# Altium PCB CHAHARDOLI-7 ADAD METAL.PcbDoc (part 9 of 10)
Units mm, origin at the board's own origin, x right, y up, seen from the top; angles counter-clockwise.
Board outline 151 x 86.38 mm, 2 copper layers (Top Layer, Bottom Layer); 1512 components, 81 nets, 3736 pads, 768 vias.
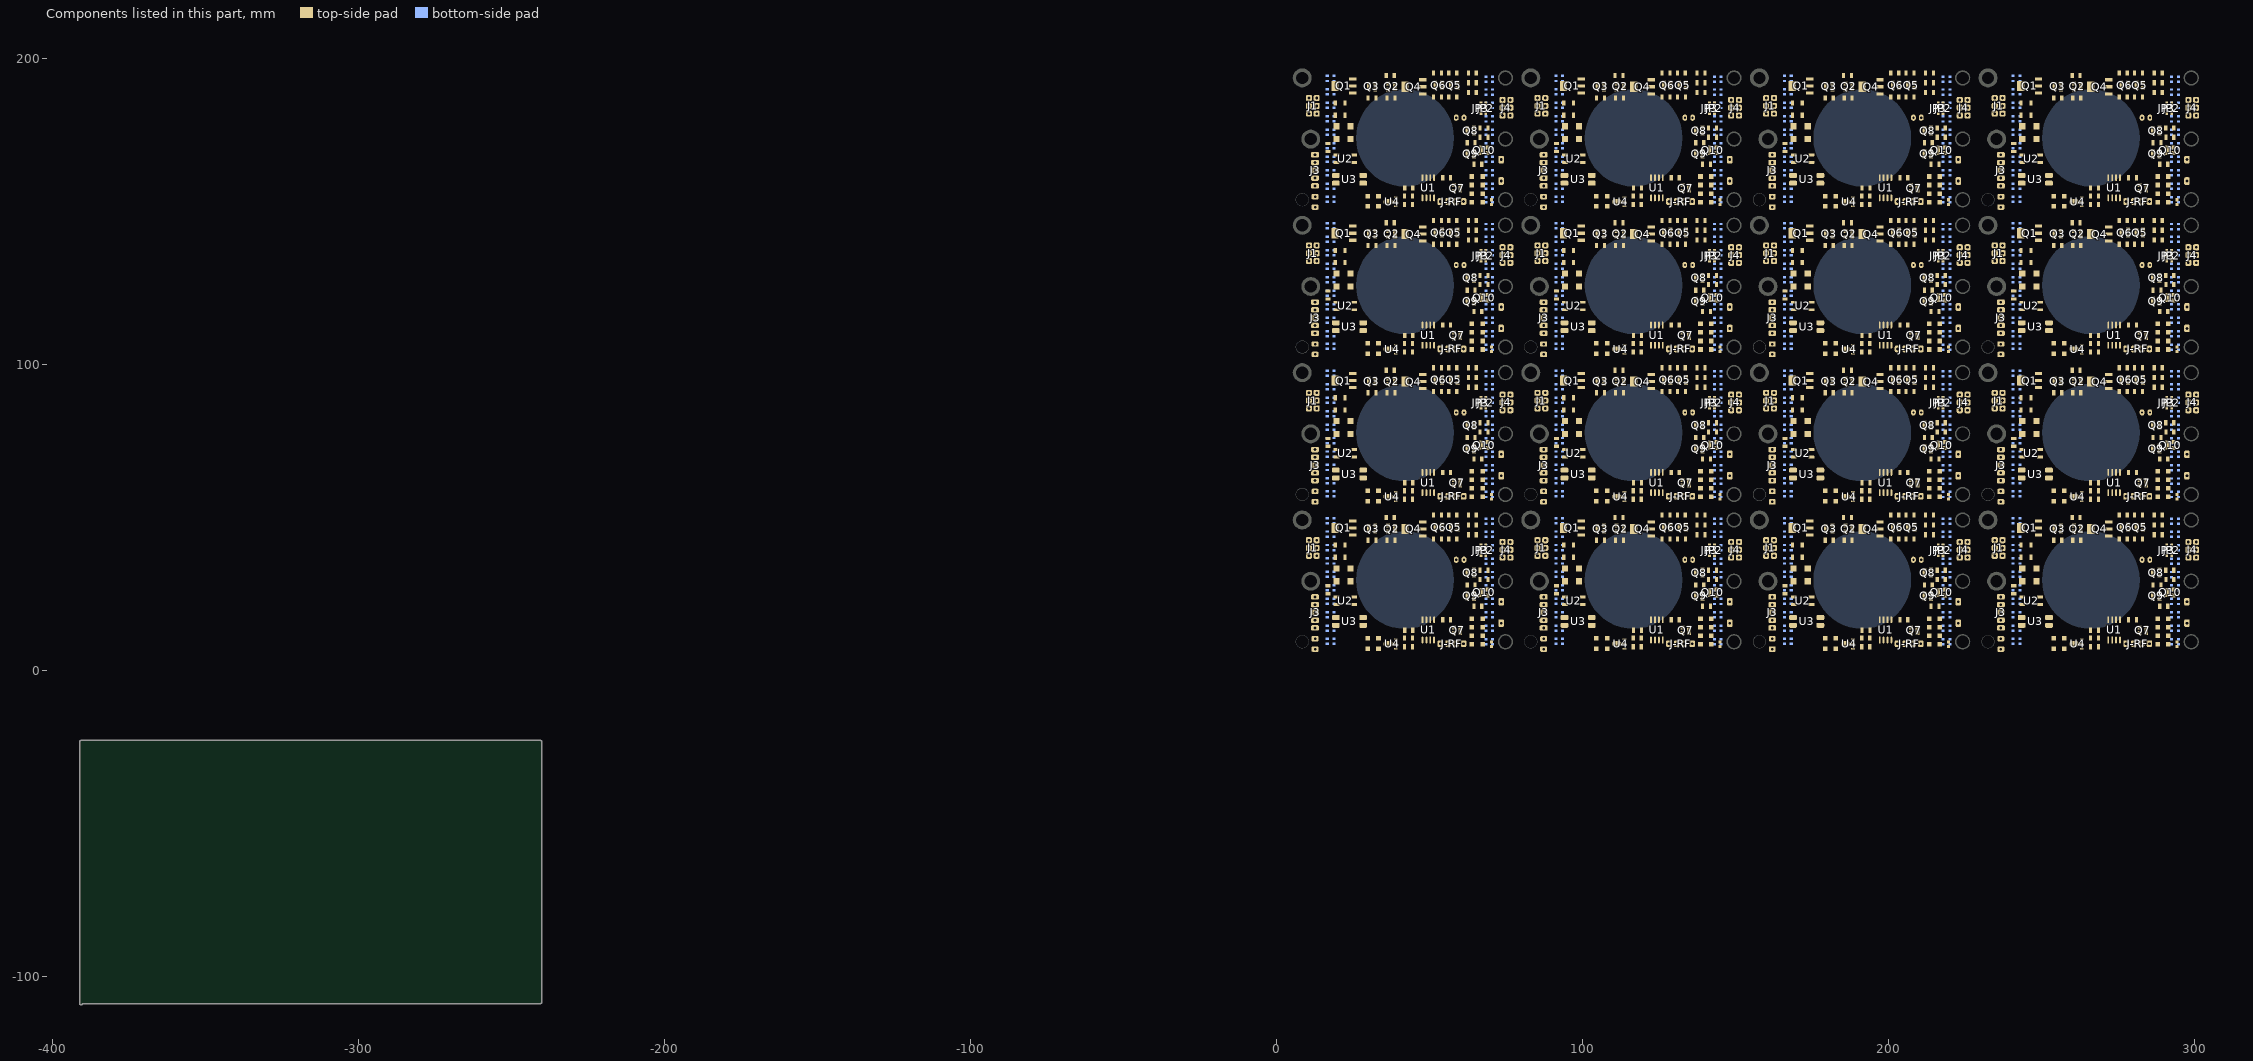
[diagram p9: the components of this part, seen from the top]

## Via types
v1: diameter 1.2, hole 0.6, Top Layer to Bottom Layer, 496 vias
v2: diameter 1, hole 0.6, Top Layer to Bottom Layer, 128 vias
v3: diameter 0.9, hole 0.6, Top Layer to Bottom Layer, 128 vias
v4: diameter 1.27, hole 0.6, Top Layer to Bottom Layer, 16 vias

## Nets (pads, with @x,y where several pads share a name; then routed paths per layer and width w, separated by ;. In a path a pad name is that pad's centre, name@x,y a point inside that pad or via, vN(x,y) a via of type N, cw(c..) or ccw(c..) an arc to the next point about the centre after c; other vN are vias at no path point) (continued)
copper on no net: (continued)
  Bottom Layer w0.5: v1(8.336,36.586) 8.336,31.71 v2@9.336,30.71 ; v1(8.336,84.731) 8.336,79.855 v2@9.336,78.855 ; v1(8.336,132.876) 8.336,128 v2@9.336,127 ; v1(8.336,181.021) 8.336,176.145 v2@9.336,175.145 ; v2(9.336,30.91) 11.136,29.11 9.936,29.11 ; v2(9.336,79.055) 11.136,77.255 9.936,77.255 ; v2(9.336,127.2) 11.136,125.4 9.936,125.4 ; v2(9.336,175.345) 11.136,173.545 9.936,173.545 ; v1(21.936,14.51) 21.136,15.31 21.136,35.51 23.936,38.31 v4(23.936,38.91) ; v1(21.936,62.655) 21.136,63.455 21.136,83.655 23.936,86.455 v4(23.936,87.055) ; v1(21.936,110.8) 21.136,111.6 21.136,131.8 23.936,134.6 v4(23.936,135.2) ; v1(21.936,158.945) 21.136,159.745 21.136,179.945 23.936,182.745 v4(23.936,183.345) ; v1@27.136,42.31 27.136,48.71 v1(28.136,49.71) 30.621,52.195 59.051,52.195 60.536,50.71 v1(60.736,50.71) ; v1@27.136,90.455 27.136,96.855 v1(28.136,97.855) 30.621,100.34 59.051,100.34 60.536,98.855 v1(60.736,98.855) ; v1@27.136,138.6 27.136,145 v1(28.136,146) 30.621,148.485 59.051,148.485 60.536,147 v1(60.736,147) ; v1@27.136,186.745 27.136,193.145 v1(28.136,194.145) 30.621,196.63 59.051,196.63 60.536,195.145 v1(60.736,195.145) ; v1@41.336,49.51 51.536,49.51 58.536,42.51 58.536,40.96 58.336,40.76 v1(58.336,40.635) ; v1@41.336,97.655 51.536,97.655 58.536,90.655 58.536,89.105 58.336,88.905 v1(58.336,88.78) ; v1@41.336,145.8 51.536,145.8 58.536,138.8 58.536,137.25 58.336,137.05 v1(58.336,136.925) ; v1@41.336,193.945 51.536,193.945 58.536,186.945 58.536,185.395 58.336,185.195 v1(58.336,185.07) ; v1(49.936,47.91) 50.736,47.11 51.936,47.11 56.736,42.31 56.736,39.71 58.27,38.176 ; v1(49.936,96.055) 50.736,95.255 51.936,95.255 56.736,90.455 56.736,87.855 58.27,86.321 ; v1(49.936,144.2) 50.736,143.4 51.936,143.4 56.736,138.6 56.736,136 58.27,134.466 ; v1(49.936,192.345) 50.736,191.545 51.936,191.545 56.736,186.745 56.736,184.145 58.27,182.611 ; v1(54.936,48.51) 60.286,43.16 60.286,40.31 58.736,38.76 58.736,38.71 ; v1(54.936,96.655) 60.286,91.305 60.286,88.455 58.736,86.905 58.736,86.855 ; v1(54.936,144.8) 60.286,139.45 60.286,136.6 58.736,135.05 58.736,135 ; v1(54.936,192.945) 60.286,187.595 60.286,184.746 58.736,183.196 58.736,183.145 ; 58.27,36.522 58.27,38.176 ; 58.27,84.668 58.27,86.321 ; 58.27,132.813 58.27,134.466 ; 58.27,180.958 58.27,182.611 ; 58.636,38.61 58.27,38.244 58.27,38.176 ; 58.636,86.755 58.27,86.389 58.27,86.321 ; 58.636,134.9 58.27,134.534 58.27,134.466 ; 58.636,183.045 58.27,182.679 58.27,182.611 ; 58.666,36.11 58.666,35.58 60.736,33.51 v1(60.736,27.11) ; 58.666,84.255 58.666,83.725 60.736,81.655 v1(60.736,75.255) ; 58.666,132.4 58.666,131.87 60.736,129.8 v1(60.736,123.4) ; 58.666,180.545 58.666,180.015 60.736,177.945 v1(60.736,171.545) ; v1(59.336,15.51) 59.47,15.644 59.67,15.644 62.084,18.058 v1(62.084,19.232) ; v1(59.336,63.655) 59.47,63.789 59.67,63.789 62.084,66.203 v1(62.084,67.377) ; v1(59.336,111.8) 59.47,111.934 59.67,111.934 62.084,114.348 v1(62.084,115.522) ; v1(59.336,159.945) 59.47,160.079 59.67,160.079 62.084,162.493 v1(62.084,163.667) ; v1(60.736,24.11) 62.936,26.31 62.936,37.31 v1(61.536,38.71) ; v1(60.736,72.255) 62.936,74.455 62.936,85.455 v1(61.536,86.855) ; v1(60.736,120.4) 62.936,122.6 62.936,133.6 v1(61.536,135) ; v1(60.736,168.545) 62.936,170.745 62.936,181.745 v1(61.536,183.145) ; v1(83.024,36.586) 83.024,31.71 v2@84.024,30.71 ; v1(83.024,84.731) 83.024,79.855 v2@84.024,78.855 ; v1(83.024,132.876) 83.024,128 v2@84.024,127 ; v1(83.024,181.021) 83.024,176.145 v2@84.024,175.145 ; v2(84.024,30.91) 85.824,29.11 84.624,29.11 ; v2(84.024,79.055) 85.824,77.255 84.624,77.255 ; v2(84.024,127.2) 85.824,125.4 84.624,125.4 ; v2(84.024,175.345) 85.824,173.545 84.624,173.545 ; v1(96.624,14.51) 95.824,15.31 95.824,35.51 98.624,38.31 v4(98.624,38.91) ; v1(96.624,62.655) 95.824,63.455 95.824,83.655 98.624,86.455 v4(98.624,87.055) ; v1(96.624,110.8) 95.824,111.6 95.824,131.8 98.624,134.6 v4(98.624,135.2) ; v1(96.624,158.945) 95.824,159.745 95.824,179.945 98.624,182.745 v4(98.624,183.345) ; v1@101.824,42.31 101.824,48.71 v1(102.824,49.71) 105.309,52.195 133.739,52.195 135.224,50.71 v1(135.424,50.71) ; v1@101.824,90.455 101.824,96.855 v1(102.824,97.855) 105.309,100.34 133.739,100.34 135.224,98.855 v1(135.424,98.855) ; v1@101.824,138.6 101.824,145 v1(102.824,146) 105.309,148.485 133.739,148.485 135.224,147 v1(135.424,147) ; v1@101.824,186.745 101.824,193.145 v1(102.824,194.145) 105.309,196.63 133.739,196.63 135.224,195.145 v1(135.424,195.145) ; v1@116.024,49.51 126.224,49.51 133.224,42.51 133.224,40.96 133.024,40.76 v1(133.024,40.635) ; v1@116.024,97.655 126.224,97.655 133.224,90.655 133.224,89.105 133.024,88.905 v1(133.024,88.78) ; v1@116.024,145.8 126.224,145.8 133.224,138.8 133.224,137.25 133.024,137.05 v1(133.024,136.925) ; v1@116.024,193.945 126.224,193.945 133.224,186.945 133.224,185.395 133.024,185.195 v1(133.024,185.07) ; v1(124.624,47.91) 125.424,47.11 126.624,47.11 131.424,42.31 131.424,39.71 132.958,38.176 ; v1(124.624,96.055) 125.424,95.255 126.624,95.255 131.424,90.455 131.424,87.855 132.958,86.321 ; v1(124.624,144.2) 125.424,143.4 126.624,143.4 131.424,138.6 131.424,136 132.958,134.466 ; v1(124.624,192.345) 125.424,191.545 126.624,191.545 131.424,186.745 131.424,184.145 132.958,182.611 ; v1(129.624,48.51) 134.974,43.16 134.974,40.31 133.424,38.76 133.424,38.71 ; v1(129.624,96.655) 134.974,91.305 134.974,88.455 133.424,86.905 133.424,86.855 ; v1(129.624,144.8) 134.974,139.45 134.974,136.6 133.424,135.05 133.424,135 ; v1(129.624,192.945) 134.974,187.595 134.974,184.746 133.424,183.196 133.424,183.145 ; 132.958,36.522 132.958,38.176 ; 132.958,84.668 132.958,86.321 ; 132.958,132.813 132.958,134.466 ; 132.958,180.958 132.958,182.611 ; 133.324,38.61 132.958,38.244 132.958,38.176 ; 133.324,86.755 132.958,86.389 132.958,86.321 ; 133.324,134.9 132.958,134.534 132.958,134.466 ; 133.324,183.045 132.958,182.679 132.958,182.611 ; 133.354,36.11 133.354,35.58 135.424,33.51 v1(135.424,27.11) ; 133.354,84.255 133.354,83.725 135.424,81.655 v1(135.424,75.255) ; 133.354,132.4 133.354,131.87 135.424,129.8 v1(135.424,123.4) ; 133.354,180.545 133.354,180.015 135.424,177.945 v1(135.424,171.545) ; v1(134.024,15.51) 134.158,15.644 134.358,15.644 136.772,18.058 v1(136.772,19.232) ; v1(134.024,63.655) 134.158,63.789 134.358,63.789 136.772,66.203 v1(136.772,67.377) ; v1(134.024,111.8) 134.158,111.934 134.358,111.934 136.772,114.348 v1(136.772,115.522) ; v1(134.024,159.945) 134.158,160.079 134.358,160.079 136.772,162.493 v1(136.772,163.667) ; v1(135.424,24.11) 137.624,26.31 137.624,37.31 v1(136.224,38.71) ; v1(135.424,72.255) 137.624,74.455 137.624,85.455 v1(136.224,86.855) ; v1(135.424,120.4) 137.624,122.6 137.624,133.6 v1(136.224,135) ; v1(135.424,168.545) 137.624,170.745 137.624,181.745 v1(136.224,183.145) ; v1(157.712,36.586) 157.712,31.71 v2@158.712,30.71 ; v1(157.712,84.731) 157.712,79.855 v2@158.712,78.855 ; v1(157.712,132.876) 157.712,128 v2@158.712,127 ; v1(157.712,181.021) 157.712,176.145 v2@158.712,175.145 ; v2(158.712,30.91) 160.512,29.11 159.312,29.11 ; v2(158.712,79.055) 160.512,77.255 159.312,77.255 ; v2(158.712,127.2) 160.512,125.4 159.312,125.4 ; v2(158.712,175.345) 160.512,173.545 159.312,173.545 ; v1(171.312,14.51) 170.512,15.31 170.512,35.51 173.312,38.31 v4(173.312,38.91) ; v1(171.312,62.655) 170.512,63.455 170.512,83.655 173.312,86.455 v4(173.312,87.055) ; v1(171.312,110.8) 170.512,111.6 170.512,131.8 173.312,134.6 v4(173.312,135.2) ; v1(171.312,158.945) 170.512,159.745 170.512,179.945 173.312,182.745 v4(173.312,183.345) ; v1@176.512,42.31 176.512,48.71 v1(177.512,49.71) 179.997,52.195 208.427,52.195 209.912,50.71 v1(210.112,50.71) ; v1@176.512,90.455 176.512,96.855 v1(177.512,97.855) 179.997,100.34 208.427,100.34 209.912,98.855 v1(210.112,98.855) ; v1@176.512,138.6 176.512,145 v1(177.512,146) 179.997,148.485 208.427,148.485 209.912,147 v1(210.112,147) ; v1@176.512,186.745 176.512,193.145 v1(177.512,194.145) 179.997,196.63 208.427,196.63 209.912,195.145 v1(210.112,195.145) ; v1@190.712,49.51 200.912,49.51 207.912,42.51 207.912,40.96 207.712,40.76 v1(207.712,40.635) ; v1@190.712,97.655 200.912,97.655 207.912,90.655 207.912,89.105 207.712,88.905 v1(207.712,88.78) ; v1@190.712,145.8 200.912,145.8 207.912,138.8 207.912,137.25 207.712,137.05 v1(207.712,136.925) ; v1@190.712,193.945 200.912,193.945 207.912,186.945 207.912,185.395 207.712,185.195 v1(207.712,185.07) ; v1(199.312,47.91) 200.112,47.11 201.312,47.11 206.112,42.31 206.112,39.71 207.646,38.176 ; v1(199.312,96.055) 200.112,95.255 201.312,95.255 206.112,90.455 206.112,87.855 207.646,86.321 ; v1(199.312,144.2) 200.112,143.4 201.312,143.4 206.112,138.6 206.112,136 207.646,134.466 ; v1(199.312,192.345) 200.112,191.545 201.312,191.545 206.112,186.745 206.112,184.145 207.646,182.611 ; v1(204.312,48.51) 209.662,43.16 209.662,40.31 208.112,38.76 208.112,38.71 ; v1(204.312,96.655) 209.662,91.305 209.662,88.455 208.112,86.905 208.112,86.855 ; v1(204.312,144.8) 209.662,139.45 209.662,136.6 208.112,135.05 208.112,135 ; v1(204.312,192.945) 209.662,187.595 209.662,184.746 208.112,183.196 208.112,183.145 ; 207.646,36.522 207.646,38.176 ; 207.646,84.668 207.646,86.321 ; 207.646,132.813 207.646,134.466 ; 207.646,180.958 207.646,182.611 ; 208.012,38.61 207.646,38.244 207.646,38.176 ; 208.012,86.755 207.646,86.389 207.646,86.321 ; 208.012,134.9 207.646,134.534 207.646,134.466 ; 208.012,183.045 207.646,182.679 207.646,182.611 ; 208.042,36.11 208.042,35.58 210.112,33.51 v1(210.112,27.11) ; 208.042,84.255 208.042,83.725 210.112,81.655 v1(210.112,75.255) ; 208.042,132.4 208.042,131.87 210.112,129.8 v1(210.112,123.4) ; 208.042,180.545 208.042,180.015 210.112,177.945 v1(210.112,171.545) ; v1(208.712,15.51) 208.846,15.644 209.046,15.644 211.46,18.058 v1(211.46,19.232) ; v1(208.712,63.655) 208.846,63.789 209.046,63.789 211.46,66.203 v1(211.46,67.377) ; v1(208.712,111.8) 208.846,111.934 209.046,111.934 211.46,114.348 v1(211.46,115.522) ; v1(208.712,159.945) 208.846,160.079 209.046,160.079 211.46,162.493 v1(211.46,163.667) ; v1(210.112,24.11) 212.312,26.31 212.312,37.31 v1(210.912,38.71) ; v1(210.112,72.255) 212.312,74.455 212.312,85.455 v1(210.912,86.855) ; v1(210.112,120.4) 212.312,122.6 212.312,133.6 v1(210.912,135) ; v1(210.112,168.545) 212.312,170.745 212.312,181.745 v1(210.912,183.145) ; v1(232.4,36.586) 232.4,31.71 v2@233.4,30.71 ; v1(232.4,84.731) 232.4,79.855 v2@233.4,78.855 ; v1(232.4,132.876) 232.4,128 v2@233.4,127 ; v1(232.4,181.021) 232.4,176.145 v2@233.4,175.145 ; v2(233.4,30.91) 235.2,29.11 234,29.11 ; v2(233.4,79.055) 235.2,77.255 234,77.255 ; v2(233.4,127.2) 235.2,125.4 234,125.4 ; v2(233.4,175.345) 235.2,173.545 234,173.545 ; v1(246,14.51) 245.2,15.31 245.2,35.51 248,38.31 v4(248,38.91) ; v1(246,62.655) 245.2,63.455 245.2,83.655 248,86.455 v4(248,87.055) ; v1(246,110.8) 245.2,111.6 245.2,131.8 248,134.6 v4(248,135.2) ; v1(246,158.945) 245.2,159.745 245.2,179.945 248,182.745 v4(248,183.345) ; v1@251.2,42.31 251.2,48.71 v1(252.2,49.71) 254.685,52.195 283.115,52.195 284.6,50.71 v1(284.8,50.71) ; v1@251.2,90.455 251.2,96.855 v1(252.2,97.855) 254.685,100.34 283.115,100.34 284.6,98.855 v1(284.8,98.855) ; v1@251.2,138.6 251.2,145 v1(252.2,146) 254.685,148.485 283.115,148.485 284.6,147 v1(284.8,147) ; v1@251.2,186.745 251.2,193.145 v1(252.2,194.145) 254.685,196.63 283.115,196.63 284.6,195.145 v1(284.8,195.145) ; v1@265.4,49.51 275.6,49.51 282.6,42.51 282.6,40.96 282.4,40.76 v1(282.4,40.635) ; v1@265.4,97.655 275.6,97.655 282.6,90.655 282.6,89.105 282.4,88.905 v1(282.4,88.78) ; v1@265.4,145.8 275.6,145.8 282.6,138.8 282.6,137.25 282.4,137.05 v1(282.4,136.925) ; v1@265.4,193.945 275.6,193.945 282.6,186.945 282.6,185.395 282.4,185.195 v1(282.4,185.07) ; v1(274,47.91) 274.8,47.11 276,47.11 280.8,42.31 280.8,39.71 282.334,38.176 ; v1(274,96.055) 274.8,95.255 276,95.255 280.8,90.455 280.8,87.855 282.334,86.321 ; v1(274,144.2) 274.8,143.4 276,143.4 280.8,138.6 280.8,136 282.334,134.466 ; v1(274,192.345) 274.8,191.545 276,191.545 280.8,186.745 280.8,184.145 282.334,182.611 ; v1(279,48.51) 284.35,43.16 284.35,40.31 282.8,38.76 282.8,38.71 ; v1(279,96.655) 284.35,91.305 284.35,88.455 282.8,86.905 282.8,86.855 ; v1(279,144.8) 284.35,139.45 284.35,136.6 282.8,135.05 282.8,135 ; v1(279,192.945) 284.35,187.595 284.35,184.746 282.8,183.196 282.8,183.145 ; 282.334,36.522 282.334,38.176 ; 282.334,84.668 282.334,86.321 ; 282.334,132.813 282.334,134.466 ; 282.334,180.958 282.334,182.611 ; 282.7,38.61 282.334,38.244 282.334,38.176 ; 282.7,86.755 282.334,86.389 282.334,86.321 ; 282.7,134.9 282.334,134.534 282.334,134.466 ; 282.7,183.045 282.334,182.679 282.334,182.611 ; 282.73,36.11 282.73,35.58 284.8,33.51 v1(284.8,27.11) ; 282.73,84.255 282.73,83.725 284.8,81.655 v1(284.8,75.255) ; 282.73,132.4 282.73,131.87 284.8,129.8 v1(284.8,123.4) ; 282.73,180.545 282.73,180.015 284.8,177.945 v1(284.8,171.545) ; v1(283.4,15.51) 283.534,15.644 283.734,15.644 286.148,18.058 v1(286.148,19.232) ; v1(283.4,63.655) 283.534,63.789 283.734,63.789 286.148,66.203 v1(286.148,67.377) ; v1(283.4,111.8) 283.534,111.934 283.734,111.934 286.148,114.348 v1(286.148,115.522) ; v1(283.4,159.945) 283.534,160.079 283.734,160.079 286.148,162.493 v1(286.148,163.667) ; v1(284.8,24.11) 287,26.31 287,37.31 v1(285.6,38.71) ; v1(284.8,72.255) 287,74.455 287,85.455 v1(285.6,86.855) ; v1(284.8,120.4) 287,122.6 287,133.6 v1(285.6,135) ; v1(284.8,168.545) 287,170.745 287,181.745 v1(285.6,183.145)
  Bottom Layer w0.6: v1(21.936,14.51) 25.736,14.51 29.936,10.31 48.736,10.31 51.536,13.11 53.936,13.11 60.757,19.931 v1(60.757,21.31) ; v1(21.936,62.655) 25.736,62.655 29.936,58.455 48.736,58.455 51.536,61.255 53.936,61.255 60.757,68.076 v1(60.757,69.455) ; v1(21.936,110.8) 25.736,110.8 29.936,106.6 48.736,106.6 51.536,109.4 53.936,109.4 60.757,116.221 v1(60.757,117.6) ; v1(21.936,158.945) 25.736,158.945 29.936,154.745 48.736,154.745 51.536,157.545 53.936,157.545 60.757,164.367 v1(60.757,165.745) ; v1(32.536,49.71) 32.536,49.91 33.736,51.11 57.336,51.11 59.936,48.51 61.536,48.51 65.336,52.31 77.584,52.31 78.036,51.858 78.036,21.41 v1(76.136,19.51) ; v1(32.536,97.855) 32.536,98.055 33.736,99.255 57.336,99.255 59.936,96.655 61.536,96.655 65.336,100.455 77.584,100.455 78.036,100.003 78.036,69.555 v1(76.136,67.655) ; v1(32.536,146) 32.536,146.2 33.736,147.4 57.336,147.4 59.936,144.8 61.536,144.8 65.336,148.6 77.584,148.6 78.036,148.149 78.036,117.7 v1(76.136,115.8) ; v1(32.536,194.145) 32.536,194.345 33.736,195.545 57.336,195.545 59.936,192.945 61.536,192.945 65.336,196.745 77.584,196.745 78.036,196.294 78.036,165.845 v1@76.136,163.945 ; v1(96.624,14.51) 100.424,14.51 104.624,10.31 123.424,10.31 126.224,13.11 128.624,13.11 135.445,19.931 v1(135.445,21.31) ; v1(96.624,62.655) 100.424,62.655 104.624,58.455 123.424,58.455 126.224,61.255 128.624,61.255 135.445,68.076 v1(135.445,69.455) ; v1(96.624,110.8) 100.424,110.8 104.624,106.6 123.424,106.6 126.224,109.4 128.624,109.4 135.445,116.221 v1(135.445,117.6) ; v1(96.624,158.945) 100.424,158.945 104.624,154.745 123.424,154.745 126.224,157.545 128.624,157.545 135.445,164.367 v1(135.445,165.745) ; v1(107.224,49.71) 107.224,49.91 108.424,51.11 132.024,51.11 134.624,48.51 136.224,48.51 140.024,52.31 152.272,52.31 152.724,51.858 152.724,21.41 v1(150.824,19.51) ; v1(107.224,97.855) 107.224,98.055 108.424,99.255 132.024,99.255 134.624,96.655 136.224,96.655 140.024,100.455 152.272,100.455 152.724,100.003 152.724,69.555 v1(150.824,67.655) ; v1(107.224,146) 107.224,146.2 108.424,147.4 132.024,147.4 134.624,144.8 136.224,144.8 140.024,148.6 152.272,148.6 152.724,148.149 152.724,117.7 v1(150.824,115.8) ; v1(107.224,194.145) 107.224,194.345 108.424,195.545 132.024,195.545 134.624,192.945 136.224,192.945 140.024,196.745 152.272,196.745 152.724,196.294 152.724,165.845 v1@150.824,163.945 ; v1(171.312,14.51) 175.112,14.51 179.312,10.31 198.112,10.31 200.912,13.11 203.312,13.11 210.133,19.931 v1(210.133,21.31) ; v1(171.312,62.655) 175.112,62.655 179.312,58.455 198.112,58.455 200.912,61.255 203.312,61.255 210.133,68.076 v1(210.133,69.455) ; v1(171.312,110.8) 175.112,110.8 179.312,106.6 198.112,106.6 200.912,109.4 203.312,109.4 210.133,116.221 v1(210.133,117.6) ; v1(171.312,158.945) 175.112,158.945 179.312,154.745 198.112,154.745 200.912,157.545 203.312,157.545 210.133,164.367 v1(210.133,165.745) ; v1(181.912,49.71) 181.912,49.91 183.112,51.11 206.712,51.11 209.312,48.51 210.912,48.51 214.712,52.31 226.96,52.31 227.412,51.858 227.412,21.41 v1(225.512,19.51) ; v1(181.912,97.855) 181.912,98.055 183.112,99.255 206.712,99.255 209.312,96.655 210.912,96.655 214.712,100.455 226.96,100.455 227.412,100.003 227.412,69.555 v1(225.512,67.655) ; v1(181.912,146) 181.912,146.2 183.112,147.4 206.712,147.4 209.312,144.8 210.912,144.8 214.712,148.6 226.96,148.6 227.412,148.149 227.412,117.7 v1(225.512,115.8) ; v1(181.912,194.145) 181.912,194.345 183.112,195.545 206.712,195.545 209.312,192.945 210.912,192.945 214.712,196.745 226.96,196.745 227.412,196.294 227.412,165.845 v1@225.512,163.945 ; v1(246,14.51) 249.8,14.51 254,10.31 272.8,10.31 275.6,13.11 278,13.11 284.821,19.931 v1(284.821,21.31) ; v1(246,62.655) 249.8,62.655 254,58.455 272.8,58.455 275.6,61.255 278,61.255 284.821,68.076 v1(284.821,69.455) ; v1(246,110.8) 249.8,110.8 254,106.6 272.8,106.6 275.6,109.4 278,109.4 284.821,116.221 v1(284.821,117.6) ; v1(246,158.945) 249.8,158.945 254,154.745 272.8,154.745 275.6,157.545 278,157.545 284.821,164.367 v1(284.821,165.745) ; v1(256.6,49.71) 256.6,49.91 257.8,51.11 281.4,51.11 284,48.51 285.6,48.51 289.4,52.31 301.649,52.31 302.1,51.858 302.1,21.41 v1(300.2,19.51) ; v1(256.6,97.855) 256.6,98.055 257.8,99.255 281.4,99.255 284,96.655 285.6,96.655 289.4,100.455 301.649,100.455 302.1,100.003 302.1,69.555 v1(300.2,67.655) ; v1(256.6,146) 256.6,146.2 257.8,147.4 281.4,147.4 284,144.8 285.6,144.8 289.4,148.6 301.649,148.6 302.1,148.149 302.1,117.7 v1(300.2,115.8) ; v1(256.6,194.145) 256.6,194.345 257.8,195.545 281.4,195.545 284,192.945 285.6,192.945 289.4,196.745 301.649,196.745 302.1,196.294 302.1,165.845 v1@300.2,163.945
  Bottom Layer w0.7: 10.536,39.71 7.346,39.71 6.936,39.3 6.936,25.71 9.936,22.71 9.936,19.12 10.346,18.71 13.443,18.71 ; 10.536,87.855 7.346,87.855 6.936,87.445 6.936,73.855 9.936,70.855 9.936,67.265 10.346,66.855 13.443,66.855 ; 10.536,136 7.346,136 6.936,135.59 6.936,122 9.936,119 9.936,115.41 10.346,115 13.443,115 ; 10.536,184.145 7.346,184.145 6.936,183.735 6.936,170.145 9.936,167.145 9.936,163.555 10.346,163.145 13.443,163.145 ; 68.136,5.91 76.936,5.91 78.136,7.11 78.136,16.31 v1(77.536,16.91) ; 68.136,54.055 76.936,54.055 78.136,55.255 78.136,64.455 v1(77.536,65.055) ; 68.136,102.2 76.936,102.2 78.136,103.4 78.136,112.6 v1(77.536,113.2) ; 68.136,150.345 76.936,150.345 78.136,151.545 78.136,160.745 v1(77.536,161.345) ; 85.224,39.71 82.034,39.71 81.624,39.3 81.624,25.71 84.624,22.71 84.624,19.12 85.034,18.71 88.131,18.71 ; 85.224,87.855 82.034,87.855 81.624,87.445 81.624,73.855 84.624,70.855 84.624,67.265 85.034,66.855 88.131,66.855 ; 85.224,136 82.034,136 81.624,135.59 81.624,122 84.624,119 84.624,115.41 85.034,115 88.131,115 ; 85.224,184.145 82.034,184.145 81.624,183.735 81.624,170.145 84.624,167.145 84.624,163.555 85.034,163.145 88.131,163.145 ; 142.824,5.91 151.624,5.91 152.824,7.11 152.824,16.31 v1(152.224,16.91) ; 142.824,54.055 151.624,54.055 152.824,55.255 152.824,64.455 v1(152.224,65.055) ; 142.824,102.2 151.624,102.2 152.824,103.4 152.824,112.6 v1(152.224,113.2) ; 142.824,150.345 151.624,150.345 152.824,151.545 152.824,160.745 v1(152.224,161.345) ; 159.912,39.71 156.722,39.71 156.312,39.3 156.312,25.71 159.312,22.71 159.312,19.12 159.722,18.71 162.819,18.71 ; 159.912,87.855 156.722,87.855 156.312,87.445 156.312,73.855 159.312,70.855 159.312,67.265 159.722,66.855 162.819,66.855 ; 159.912,136 156.722,136 156.312,135.59 156.312,122 159.312,119 159.312,115.41 159.722,115 162.819,115 ; 159.912,184.145 156.722,184.145 156.312,183.735 156.312,170.145 159.312,167.145 159.312,163.555 159.722,163.145 162.819,163.145 ; 217.512,5.91 226.312,5.91 227.512,7.11 227.512,16.31 v1(226.912,16.91) ; 217.512,54.055 226.312,54.055 227.512,55.255 227.512,64.455 v1(226.912,65.055) ; 217.512,102.2 226.312,102.2 227.512,103.4 227.512,112.6 v1(226.912,113.2) ; 217.512,150.345 226.312,150.345 227.512,151.545 227.512,160.745 v1(226.912,161.345) ; 234.6,39.71 231.41,39.71 231,39.3 231,25.71 234,22.71 234,19.12 234.41,18.71 237.507,18.71 ; 234.6,87.855 231.41,87.855 231,87.445 231,73.855 234,70.855 234,67.265 234.41,66.855 237.507,66.855 ; 234.6,136 231.41,136 231,135.59 231,122 234,119 234,115.41 234.41,115 237.507,115 ; 234.6,184.145 231.41,184.145 231,183.735 231,170.145 234,167.145 234,163.555 234.41,163.145 237.507,163.145 ; 292.2,5.91 301,5.91 302.2,7.11 302.2,16.31 v1(301.6,16.91) ; 292.2,54.055 301,54.055 302.2,55.255 302.2,64.455 v1(301.6,65.055) ; 292.2,102.2 301,102.2 302.2,103.4 302.2,112.6 v1(301.6,113.2) ; 292.2,150.345 301,150.345 302.2,151.545 302.2,160.745 v1(301.6,161.345)
  Bottom Layer w0.8: 12.536,6.91 12.766,6.91 13.279,6.397 13.279,6.367 13.747,5.898 68.147,5.898 68.136,5.91 ; 12.536,55.055 12.766,55.055 13.279,54.542 13.279,54.512 13.747,54.043 68.147,54.043 68.136,54.055 ; 12.536,103.2 12.766,103.2 13.279,102.687 13.279,102.657 13.747,102.188 68.147,102.188 68.136,102.2 ; 12.536,151.345 12.766,151.345 13.279,150.832 13.279,150.802 13.747,150.333 68.147,150.333 68.136,150.345 ; v1(73.336,18.31) 73.489,18.157 74.689,18.157 75.936,16.91 v1(77.536,16.91) ; v1(73.336,66.455) 73.489,66.302 74.689,66.302 75.936,65.055 v1(77.536,65.055) ; v1(73.336,114.6) 73.489,114.447 74.689,114.447 75.936,113.2 v1(77.536,113.2) ; v1(73.336,162.745) 73.489,162.592 74.689,162.592 75.936,161.345 v1(77.536,161.345) ; 87.224,6.91 87.454,6.91 87.967,6.397 87.967,6.367 88.435,5.898 142.836,5.898 142.824,5.91 ; 87.224,55.055 87.454,55.055 87.967,54.542 87.967,54.512 88.435,54.043 142.836,54.043 142.824,54.055 ; 87.224,103.2 87.454,103.2 87.967,102.687 87.967,102.657 88.435,102.188 142.836,102.188 142.824,102.2 ; 87.224,151.345 87.454,151.345 87.967,150.832 87.967,150.802 88.435,150.333 142.836,150.333 142.824,150.345 ; v1(148.024,18.31) 148.177,18.157 149.377,18.157 150.624,16.91 v1(152.224,16.91) ; v1(148.024,66.455) 148.177,66.302 149.377,66.302 150.624,65.055 v1(152.224,65.055) ; v1(148.024,114.6) 148.177,114.447 149.377,114.447 150.624,113.2 v1(152.224,113.2) ; v1(148.024,162.745) 148.177,162.592 149.377,162.592 150.624,161.345 v1(152.224,161.345) ; 161.912,6.91 162.142,6.91 162.655,6.397 162.655,6.367 163.124,5.898 217.524,5.898 217.512,5.91 ; 161.912,55.055 162.142,55.055 162.655,54.542 162.655,54.512 163.124,54.043 217.524,54.043 217.512,54.055 ; 161.912,103.2 162.142,103.2 162.655,102.687 162.655,102.657 163.124,102.188 217.524,102.188 217.512,102.2 ; 161.912,151.345 162.142,151.345 162.655,150.832 162.655,150.802 163.124,150.333 217.524,150.333 217.512,150.345 ; v1(222.712,18.31) 222.865,18.157 224.065,18.157 225.312,16.91 v1(226.912,16.91) ; v1(222.712,66.455) 222.865,66.302 224.065,66.302 225.312,65.055 v1(226.912,65.055) ; v1(222.712,114.6) 222.865,114.447 224.065,114.447 225.312,113.2 v1(226.912,113.2) ; v1(222.712,162.745) 222.865,162.592 224.065,162.592 225.312,161.345 v1(226.912,161.345) ; 236.6,6.91 236.83,6.91 237.343,6.397 237.343,6.367 237.812,5.898 292.212,5.898 292.2,5.91 ; 236.6,55.055 236.83,55.055 237.343,54.542 237.343,54.512 237.812,54.043 292.212,54.043 292.2,54.055 ; 236.6,103.2 236.83,103.2 237.343,102.687 237.343,102.657 237.812,102.188 292.212,102.188 292.2,102.2 ; 236.6,151.345 236.83,151.345 237.343,150.832 237.343,150.802 237.812,150.333 292.212,150.333 292.2,150.345 ; v1(297.4,18.31) 297.553,18.157 298.753,18.157 300,16.91 v1(301.6,16.91) ; v1(297.4,66.455) 297.553,66.302 298.753,66.302 300,65.055 v1(301.6,65.055) ; v1(297.4,114.6) 297.553,114.447 298.753,114.447 300,113.2 v1(301.6,113.2) ; v1(297.4,162.745) 297.553,162.592 298.753,162.592 300,161.345 v1(301.6,161.345)
  Bottom Layer w1: 12.476,21.39 12.536,21.45 ; 12.476,69.535 12.536,69.595 ; 12.476,117.68 12.536,117.74 ; 12.476,165.825 12.536,165.885 ; 12.736,10.51 12.082,10.51 11.893,10.699 11.893,10.953 8.136,14.71 v1(8.136,21.11) 5.486,23.76 5.486,43.46 6.736,44.71 12.771,44.71 12.771,51.524 13.357,52.11 22.35,52.11 22.936,51.524 22.936,43.11 25.536,40.51 28.35,40.51 28.936,41.096 28.936,44.51 31.536,47.11 49.05,47.11 49.85,47.91 v1(49.936,47.91) ; 12.736,44.71 12.736,42.85 13.076,42.51 ; 12.736,58.655 12.082,58.655 11.893,58.844 11.893,59.098 8.136,62.855 v1(8.136,69.255) 5.486,71.905 5.486,91.605 6.736,92.855 12.771,92.855 12.771,99.669 13.357,100.255 22.35,100.255 22.936,99.669 22.936,91.255 25.536,88.655 28.35,88.655 28.936,89.241 28.936,92.655 31.536,95.255 49.05,95.255 49.85,96.055 v1(49.936,96.055) ; 12.736,92.855 12.736,90.995 13.076,90.655 ; 12.736,106.8 12.082,106.8 11.893,106.989 11.893,107.243 8.136,111 v1(8.136,117.4) 5.486,120.05 5.486,139.75 6.736,141 12.771,141 12.771,147.814 13.357,148.4 22.35,148.4 22.936,147.814 22.936,139.4 25.536,136.8 28.35,136.8 28.936,137.386 28.936,140.8 31.536,143.4 49.05,143.4 49.85,144.2 v1(49.936,144.2) ; 12.736,141 12.736,139.14 13.076,138.8 ; 12.736,154.945 12.082,154.945 11.893,155.134 11.893,155.388 8.136,159.145 v1(8.136,165.545) 5.486,168.195 5.486,187.895 6.736,189.145 12.771,189.145 12.771,195.959 13.357,196.545 22.35,196.545 22.936,195.959 22.936,187.545 25.536,184.945 28.35,184.945 28.936,185.531 28.936,188.945 31.536,191.545 49.05,191.545 49.85,192.345 v1(49.936,192.345) ; 12.736,189.145 12.736,187.285 13.076,186.945 ; 16.536,49.748 16.574,49.71 17.636,49.71 18.697,49.71 18.736,49.748 18.809,49.821 20.497,49.821 v1(20.536,49.86) ; 16.536,97.893 16.574,97.855 17.636,97.855 18.697,97.855 18.736,97.893 18.809,97.967 20.497,97.967 v1(20.536,98.005) ; 16.536,146.038 16.574,146 17.636,146 18.697,146 18.736,146.038 18.809,146.112 20.497,146.112 v1(20.536,146.15) ; 16.536,194.183 16.574,194.145 17.636,194.145 18.697,194.145 18.736,194.183 18.809,194.257 20.497,194.257 v1(20.536,194.295) ; 87.164,21.39 87.224,21.45 ; 87.164,69.535 87.224,69.595 ; 87.164,117.68 87.224,117.74 ; 87.164,165.825 87.224,165.885 ; 87.424,10.51 86.77,10.51 86.581,10.699 86.581,10.953 82.824,14.71 v1(82.824,21.11) 80.174,23.76 80.174,43.46 81.424,44.71 87.459,44.71 87.459,51.524 88.045,52.11 97.038,52.11 97.624,51.524 97.624,43.11 100.224,40.51 103.038,40.51 103.624,41.096 103.624,44.51 106.224,47.11 123.738,47.11 124.538,47.91 v1(124.624,47.91) ; 87.424,44.71 87.424,42.85 87.764,42.51 ; 87.424,58.655 86.77,58.655 86.581,58.844 86.581,59.098 82.824,62.855 v1(82.824,69.255) 80.174,71.905 80.174,91.605 81.424,92.855 87.459,92.855 87.459,99.669 88.045,100.255 97.038,100.255 97.624,99.669 97.624,91.255 100.224,88.655 103.038,88.655 103.624,89.241 103.624,92.655 106.224,95.255 123.738,95.255 124.538,96.055 v1(124.624,96.055) ; 87.424,92.855 87.424,90.995 87.764,90.655 ; 87.424,106.8 86.77,106.8 86.581,106.989 86.581,107.243 82.824,111 v1(82.824,117.4) 80.174,120.05 80.174,139.75 81.424,141 87.459,141 87.459,147.814 88.045,148.4 97.038,148.4 97.624,147.814 97.624,139.4 100.224,136.8 103.038,136.8 103.624,137.386 103.624,140.8 106.224,143.4 123.738,143.4 124.538,144.2 v1(124.624,144.2) ; 87.424,141 87.424,139.14 87.764,138.8 ; 87.424,154.945 86.77,154.945 86.581,155.134 86.581,155.388 82.824,159.145 v1(82.824,165.545) 80.174,168.195 80.174,187.895 81.424,189.145 87.459,189.145 87.459,195.959 88.045,196.545 97.038,196.545 97.624,195.959 97.624,187.545 100.224,184.945 103.038,184.945 103.624,185.531 103.624,188.945 106.224,191.545 123.738,191.545 124.538,192.345 v1(124.624,192.345) ; 87.424,189.145 87.424,187.285 87.764,186.945 ; 91.224,49.748 91.262,49.71 92.324,49.71 93.386,49.71 93.424,49.748 93.497,49.822 95.186,49.822 v1(95.224,49.86) ; 91.224,97.893 91.262,97.855 92.324,97.855 93.386,97.855 93.424,97.893 93.497,97.967 95.186,97.967 v1(95.224,98.005) ; 91.224,146.038 91.262,146 92.324,146 93.386,146 93.424,146.038 93.497,146.112 95.186,146.112 v1(95.224,146.15) ; 91.224,194.183 91.262,194.145 92.324,194.145 93.386,194.145 93.424,194.183 93.497,194.257 95.186,194.257 v1(95.224,194.295) ; 161.852,21.39 161.912,21.45 ; 161.852,69.535 161.912,69.595 ; 161.852,117.68 161.912,117.74 ; 161.852,165.825 161.912,165.885 ; 162.112,10.51 161.458,10.51 161.269,10.699 161.269,10.953 157.512,14.71 v1(157.512,21.11) 154.862,23.76 154.862,43.46 156.112,44.71 162.147,44.71 162.147,51.524 162.733,52.11 171.726,52.11 172.312,51.524 172.312,43.11 174.912,40.51 177.726,40.51 178.312,41.096 178.312,44.51 180.912,47.11 198.426,47.11 199.226,47.91 v1(199.312,47.91) ; 162.112,44.71 162.112,42.85 162.452,42.51 ; 162.112,58.655 161.458,58.655 161.269,58.844 161.269,59.098 157.512,62.855 v1(157.512,69.255) 154.862,71.905 154.862,91.605 156.112,92.855 162.147,92.855 162.147,99.669 162.733,100.255 171.726,100.255 172.312,99.669 172.312,91.255 174.912,88.655 177.726,88.655 178.312,89.241 178.312,92.655 180.912,95.255 198.426,95.255 199.226,96.055 v1(199.312,96.055) ; 162.112,92.855 162.112,90.995 162.452,90.655 ; 162.112,106.8 161.458,106.8 161.269,106.989 161.269,107.243 157.512,111 v1(157.512,117.4) 154.862,120.05 154.862,139.75 156.112,141 162.147,141 162.147,147.814 162.733,148.4 171.726,148.4 172.312,147.814 172.312,139.4 174.912,136.8 177.726,136.8 178.312,137.386 178.312,140.8 180.912,143.4 198.426,143.4 199.226,144.2 v1(199.312,144.2) ; 162.112,141 162.112,139.14 162.452,138.8 ; 162.112,154.945 161.458,154.945 161.269,155.134 161.269,155.388 157.512,159.145 v1(157.512,165.545) 154.862,168.195 154.862,187.895 156.112,189.145 162.147,189.145 162.147,195.959 162.733,196.545 171.726,196.545 172.312,195.959 172.312,187.545 174.912,184.945 177.726,184.945 178.312,185.531 178.312,188.945 180.912,191.545 198.426,191.545 199.226,192.345 v1(199.312,192.345) ; 162.112,189.145 162.112,187.285 162.452,186.945 ; 165.912,49.748 165.95,49.71 167.012,49.71 168.074,49.71 168.112,49.748 168.185,49.822 169.874,49.822 v1(169.912,49.86) ; 165.912,97.893 165.95,97.855 167.012,97.855 168.074,97.855 168.112,97.893 168.185,97.967 169.874,97.967 v1(169.912,98.005) ; 165.912,146.038 165.95,146 167.012,146 168.074,146 168.112,146.038 168.185,146.112 169.874,146.112 v1(169.912,146.15) ; 165.912,194.183 165.95,194.145 167.012,194.145 168.074,194.145 168.112,194.183 168.185,194.257 169.874,194.257 v1(169.912,194.295) ; 236.54,21.39 236.6,21.45 ; 236.54,69.535 236.6,69.595 ; 236.54,117.68 236.6,117.74 ; 236.54,165.825 236.6,165.885 ; 236.8,10.51 236.146,10.51 235.957,10.699 235.957,10.953 232.2,14.71 v1(232.2,21.11) 229.55,23.76 229.55,43.46 230.8,44.71 236.835,44.71 236.835,51.524 237.421,52.11 246.414,52.11 247,51.524 247,43.11 249.6,40.51 252.414,40.51 253,41.096 253,44.51 255.6,47.11 273.114,47.11 273.914,47.91 v1(274,47.91) ; 236.8,44.71 236.8,42.85 237.14,42.51 ; 236.8,58.655 236.146,58.655 235.957,58.844 235.957,59.098 232.2,62.855 v1(232.2,69.255) 229.55,71.905 229.55,91.605 230.8,92.855 236.835,92.855 236.835,99.669 237.421,100.255 246.414,100.255 247,99.669 247,91.255 249.6,88.655 252.414,88.655 253,89.241 253,92.655 255.6,95.255 273.114,95.255 273.914,96.055 v1(274,96.055) ; 236.8,92.855 236.8,90.995 237.14,90.655 ; 236.8,106.8 236.146,106.8 235.957,106.989 235.957,107.243 232.2,111 v1(232.2,117.4) 229.55,120.05 229.55,139.75 230.8,141 236.835,141 236.835,147.814 237.421,148.4 246.414,148.4 247,147.814 247,139.4 249.6,136.8 252.414,136.8 253,137.386 253,140.8 255.6,143.4 273.114,143.4 273.914,144.2 v1(274,144.2) ; 236.8,141 236.8,139.14 237.14,138.8 ; 236.8,154.945 236.146,154.945 235.957,155.134 235.957,155.388 232.2,159.145 v1(232.2,165.545) 229.55,168.195 229.55,187.895 230.8,189.145 236.835,189.145 236.835,195.959 237.421,196.545 246.414,196.545 247,195.959 247,187.545 249.6,184.945 252.414,184.945 253,185.531 253,188.945 255.6,191.545 273.114,191.545 273.914,192.345 v1(274,192.345) ; 236.8,189.145 236.8,187.285 237.14,186.945 ; 240.6,49.748 240.638,49.71 241.7,49.71 242.762,49.71 242.8,49.748 242.874,49.822 244.562,49.822 v1(244.6,49.86) ; 240.6,97.893 240.638,97.855 241.7,97.855 242.762,97.855 242.8,97.893 242.874,97.967 244.562,97.967 v1(244.6,98.005) ; 240.6,146.038 240.638,146 241.7,146 242.762,146 242.8,146.038 242.874,146.112 244.562,146.112 v1(244.6,146.15) ; 240.6,194.183 240.638,194.145 241.7,194.145 242.762,194.145 242.8,194.183 242.874,194.257 244.562,194.257 v1(244.6,194.295)
  other v2: 11.136,26.51 85.824,26.51 160.512,26.51 235.2,26.51 9.336,27.31 12.936,27.31 84.024,27.31 87.624,27.31 158.712,27.31 162.312,27.31 233.4,27.31 237,27.31 8.536,29.11 13.736,29.11 83.224,29.11 88.424,29.11 157.912,29.11 163.112,29.11 232.6,29.11 237.8,29.11 12.936,30.91 87.624,30.91 162.312,30.91 237,30.91 11.136,31.71 85.824,31.71 160.512,31.71 235.2,31.71 11.136,74.655 85.824,74.655 160.512,74.655 235.2,74.655 9.336,75.455 12.936,75.455 84.024,75.455 87.624,75.455 158.712,75.455 162.312,75.455 233.4,75.455 237,75.455 8.536,77.255 13.736,77.255 83.224,77.255 88.424,77.255 157.912,77.255 163.112,77.255 232.6,77.255 237.8,77.255 12.936,79.055 87.624,79.055 162.312,79.055 237,79.055 11.136,79.855 85.824,79.855 160.512,79.855 235.2,79.855 11.136,122.8 85.824,122.8 160.512,122.8 235.2,122.8 9.336,123.6 12.936,123.6 84.024,123.6 87.624,123.6 158.712,123.6 162.312,123.6 233.4,123.6 237,123.6 8.536,125.4 13.736,125.4 83.224,125.4 88.424,125.4 157.912,125.4 163.112,125.4 232.6,125.4 237.8,125.4 12.936,127.2 87.624,127.2 162.312,127.2 237,127.2 11.136,128 85.824,128 160.512,128 235.2,128 11.136,170.945 85.824,170.945 160.512,170.945 235.2,170.945 9.336,171.745 12.936,171.745 84.024,171.745 87.624,171.745 158.712,171.745 162.312,171.745 233.4,171.745 237,171.745 8.536,173.545 13.736,173.545 83.224,173.545 88.424,173.545 157.912,173.545 163.112,173.545 232.6,173.545 237.8,173.545 12.936,175.345 87.624,175.345 162.312,175.345 237,175.345 11.136,176.145 85.824,176.145 160.512,176.145 235.2,176.145
  other v3: 8.336,46.51 83.024,46.51 157.712,46.51 232.4,46.51 6.536,47.31 10.136,47.31 81.224,47.31 84.824,47.31 155.912,47.31 159.512,47.31 230.6,47.31 234.2,47.31 5.736,49.11 10.936,49.11 80.424,49.11 85.624,49.11 155.112,49.11 160.312,49.11 229.8,49.11 235,49.11 6.536,50.91 10.136,50.91 81.224,50.91 84.824,50.91 155.912,50.91 159.512,50.91 230.6,50.91 234.2,50.91 8.336,51.71 83.024,51.71 157.712,51.71 232.4,51.71 8.336,94.655 83.024,94.655 157.712,94.655 232.4,94.655 6.536,95.455 10.136,95.455 81.224,95.455 84.824,95.455 155.912,95.455 159.512,95.455 230.6,95.455 234.2,95.455 5.736,97.255 10.936,97.255 80.424,97.255 85.624,97.255 155.112,97.255 160.312,97.255 229.8,97.255 235,97.255 6.536,99.055 10.136,99.055 81.224,99.055 84.824,99.055 155.912,99.055 159.512,99.055 230.6,99.055 234.2,99.055 8.336,99.855 83.024,99.855 157.712,99.855 232.4,99.855 8.336,142.8 83.024,142.8 157.712,142.8 232.4,142.8 6.536,143.6 10.136,143.6 81.224,143.6 84.824,143.6 155.912,143.6 159.512,143.6 230.6,143.6 234.2,143.6 5.736,145.4 10.936,145.4 80.424,145.4 85.624,145.4 155.112,145.4 160.312,145.4 229.8,145.4 235,145.4 6.536,147.2 10.136,147.2 81.224,147.2 84.824,147.2 155.912,147.2 159.512,147.2 230.6,147.2 234.2,147.2 8.336,148 83.024,148 157.712,148 232.4,148 8.336,190.945 83.024,190.945 157.712,190.945 232.4,190.945 6.536,191.745 10.136,191.745 81.224,191.745 84.824,191.745 155.912,191.745 159.512,191.745 230.6,191.745 234.2,191.745 5.736,193.545 10.936,193.545 80.424,193.545 85.624,193.545 155.112,193.545 160.312,193.545 229.8,193.545 235,193.545 6.536,195.345 10.136,195.345 81.224,195.345 84.824,195.345 155.912,195.345 159.512,195.345 230.6,195.345 234.2,195.345 8.336,196.145 83.024,196.145 157.712,196.145 232.4,196.145

## Polygon pours and split planes (outlines as drawn)
no net on Bottom Layer "GND_L02_P026" (hatched 90Degree grid 0.8 track 0.4, pour order 43): 229.2,5.51 229.2,51.91 302.2,51.91 302.2,5.71
no net on Bottom Layer "GND_L02_P026" (hatched 90Degree grid 0.8 track 0.4, pour order 42): 229.2,53.655 229.2,100.055 302.2,100.055 302.2,53.855
no net on Bottom Layer "GND_L02_P026" (hatched 90Degree grid 0.8 track 0.4, pour order 41): 229.2,101.8 229.2,148.2 302.2,148.2 302.2,102.001
no net on Bottom Layer "GND_L02_P026" (hatched 90Degree grid 0.8 track 0.4, pour order 40): 229.2,149.945 229.2,196.345 302.2,196.345 302.2,150.146
no net on Bottom Layer "GND_L02_P026" (hatched 90Degree grid 0.8 track 0.4, pour order 39): 154.512,149.945 154.512,196.345 227.512,196.345 227.512,150.146
no net on Bottom Layer "GND_L02_P026" (hatched 90Degree grid 0.8 track 0.4, pour order 38): 154.512,101.8 154.512,148.2 227.512,148.2 227.512,102.001
no net on Bottom Layer "GND_L02_P026" (hatched 90Degree grid 0.8 track 0.4, pour order 37): 154.512,53.655 154.512,100.055 227.512,100.055 227.512,53.855
no net on Bottom Layer "GND_L02_P026" (hatched 90Degree grid 0.8 track 0.4, pour order 36): 154.512,5.51 154.512,51.91 227.512,51.91 227.512,5.71
no net on Bottom Layer "GND_L02_P026" (hatched 90Degree grid 0.8 track 0.4, pour order 35): 79.824,149.945 79.824,196.345 152.824,196.345 152.824,150.146
no net on Bottom Layer "GND_L02_P026" (hatched 90Degree grid 0.8 track 0.4, pour order 34): 79.824,101.8 79.824,148.2 152.824,148.2 152.824,102.001
no net on Bottom Layer "GND_L02_P026" (hatched 90Degree grid 0.8 track 0.4, pour order 33): 79.824,53.655 79.824,100.055 152.824,100.055 152.824,53.855
no net on Bottom Layer "GND_L02_P026" (hatched 90Degree grid 0.8 track 0.4, pour order 32): 79.824,5.51 79.824,51.91 152.824,51.91 152.824,5.71
no net on Bottom Layer "GND_L02_P026" (hatched 90Degree grid 0.8 track 0.4, pour order 31): 5.136,149.945 5.136,196.345 78.136,196.345 78.136,150.146
no net on Bottom Layer "GND_L02_P026" (hatched 90Degree grid 0.8 track 0.4, pour order 30): 5.136,101.8 5.136,148.2 78.136,148.2 78.136,102.001
no net on Bottom Layer "GND_L02_P026" (hatched 90Degree grid 0.8 track 0.4, pour order 29): 5.136,53.655 5.136,100.055 78.136,100.055 78.136,53.855
no net on Bottom Layer "GND_L02_P026" (hatched 90Degree grid 0.8 track 0.4, pour order 28): 5.136,5.51 5.136,51.91 78.136,51.91 78.136,5.71
GND on Top Layer "NONET_L01_P024" (hatched 90Degree grid 0.5 track 0.2, shelved, pour order 27): -314.654,-37.026 -274.903,-37.026 -275.03,-37.153 -275.03,-98.621 -314.527,-98.621

## Keep-outs
Keep-Out Layer:
  lines w0.3: 4.583,12.209 4.583,5.224 11.568,5.224 ; 4.583,45.864 4.583,52.849 11.568,52.849 ; 4.583,60.354 4.583,53.369 11.568,53.369 ; 4.583,94.009 4.583,100.994 11.568,100.994 ; 4.583,108.499 4.583,101.514 11.568,101.514 ; 4.583,142.154 4.583,149.139 11.568,149.139 ; 4.583,156.644 4.583,149.659 11.568,149.659 ; 4.583,190.299 4.583,197.284 11.568,197.284 ; 71.766,5.224 78.751,5.224 78.751,12.209 ; 71.766,52.849 78.751,52.849 78.751,45.864 ; 71.766,53.369 78.751,53.369 78.751,60.354 ; 71.766,100.994 78.751,100.994 78.751,94.009 ; 71.766,101.514 78.751,101.514 78.751,108.499 ; 71.766,149.139 78.751,149.139 78.751,142.154 ; 71.766,149.659 78.751,149.659 78.751,156.644 ; 71.766,197.284 78.751,197.284 78.751,190.299 ; 79.271,12.209 79.271,5.224 86.256,5.224 ; 79.271,45.864 79.271,52.849 86.256,52.849 ; 79.271,60.354 79.271,53.369 86.256,53.369 ; 79.271,94.009 79.271,100.994 86.256,100.994 ; 79.271,108.499 79.271,101.514 86.256,101.514 ; 79.271,142.154 79.271,149.139 86.256,149.139 ; 79.271,156.644 79.271,149.659 86.256,149.659 ; 79.271,190.299 79.271,197.284 86.256,197.284 ; 146.454,5.224 153.439,5.224 153.439,12.209 ; 146.454,52.849 153.439,52.849 153.439,45.864 ; 146.454,53.369 153.439,53.369 153.439,60.354 ; 146.454,100.994 153.439,100.994 153.439,94.009 ; 146.454,101.514 153.439,101.514 153.439,108.499 ; 146.454,149.139 153.439,149.139 153.439,142.154 ; 146.454,149.659 153.439,149.659 153.439,156.644 ; 146.454,197.284 153.439,197.284 153.439,190.299 ; 153.959,12.209 153.959,5.224 160.944,5.224 ; 153.959,45.864 153.959,52.849 160.944,52.849 ; 153.959,60.354 153.959,53.369 160.944,53.369 ; 153.959,94.009 153.959,100.994 160.944,100.994 ; 153.959,108.499 153.959,101.514 160.944,101.514 ; 153.959,142.154 153.959,149.139 160.944,149.139 ; 153.959,156.644 153.959,149.659 160.944,149.659 ; 153.959,190.299 153.959,197.284 160.944,197.284 ; 221.142,5.224 228.127,5.224 228.127,12.209 ; 221.142,52.849 228.127,52.849 228.127,45.864 ; 221.142,53.369 228.127,53.369 228.127,60.354 ; 221.142,100.994 228.127,100.994 228.127,94.009 ; 221.142,101.514 228.127,101.514 228.127,108.499 ; 221.142,149.139 228.127,149.139 228.127,142.154 ; 221.142,149.659 228.127,149.659 228.127,156.644 ; 221.142,197.284 228.127,197.284 228.127,190.299 ; 228.647,12.209 228.647,5.224 235.632,5.224 ; 228.647,45.864 228.647,52.849 235.632,52.849 ; 228.647,60.354 228.647,53.369 235.632,53.369 ; 228.647,94.009 228.647,100.994 235.632,100.994 ; 228.647,108.499 228.647,101.514 235.632,101.514 ; 228.647,142.154 228.647,149.139 235.632,149.139 ; 228.647,156.644 228.647,149.659 235.632,149.659 ; 228.647,190.299 228.647,197.284 235.632,197.284 ; 295.83,5.224 302.815,5.224 302.815,12.209 ; 295.83,52.849 302.815,52.849 302.815,45.864 ; 295.83,53.369 302.815,53.369 302.815,60.354 ; 295.83,100.994 302.815,100.994 302.815,94.009 ; 295.83,101.514 302.815,101.514 302.815,108.499 ; 295.83,149.139 302.815,149.139 302.815,142.154 ; 295.83,149.659 302.815,149.659 302.815,156.644 ; 295.83,197.284 302.815,197.284 302.815,190.299
  text "CHAHARDOLI-7 SERI-MESHKI TOP--SEFID BOT---GHETE 2 ATRAF" at 305.2,149.11 h1.5 r90
  text "CHAHARDOLI-7 SERI-MESHKI TOP--SEFID BOT---GHETE 2 ATRAF" at 144.2,4.31 h1.5 r180

## Other copper
Top Layer:
  text "M0260" at 3.8,152.11 h1.5 r90
  text "M0260" at 3.6,140.51 h1.5 r90
Multi-Layer:
  lines w0.3: -0.826,197.593 4.224,197.593 ; -0.726,4.963 4.324,4.963 ; 4.274,-0.187 4.274,4.863 ; 4.324,197.543 4.324,202.593 ; 303.077,-0.087 303.077,4.963 ; 303.077,197.543 308.127,197.543 ; 303.127,197.643 303.127,202.693 ; 303.177,4.913 308.227,4.913